# KiCad board Kanagawa.kicad_pcb
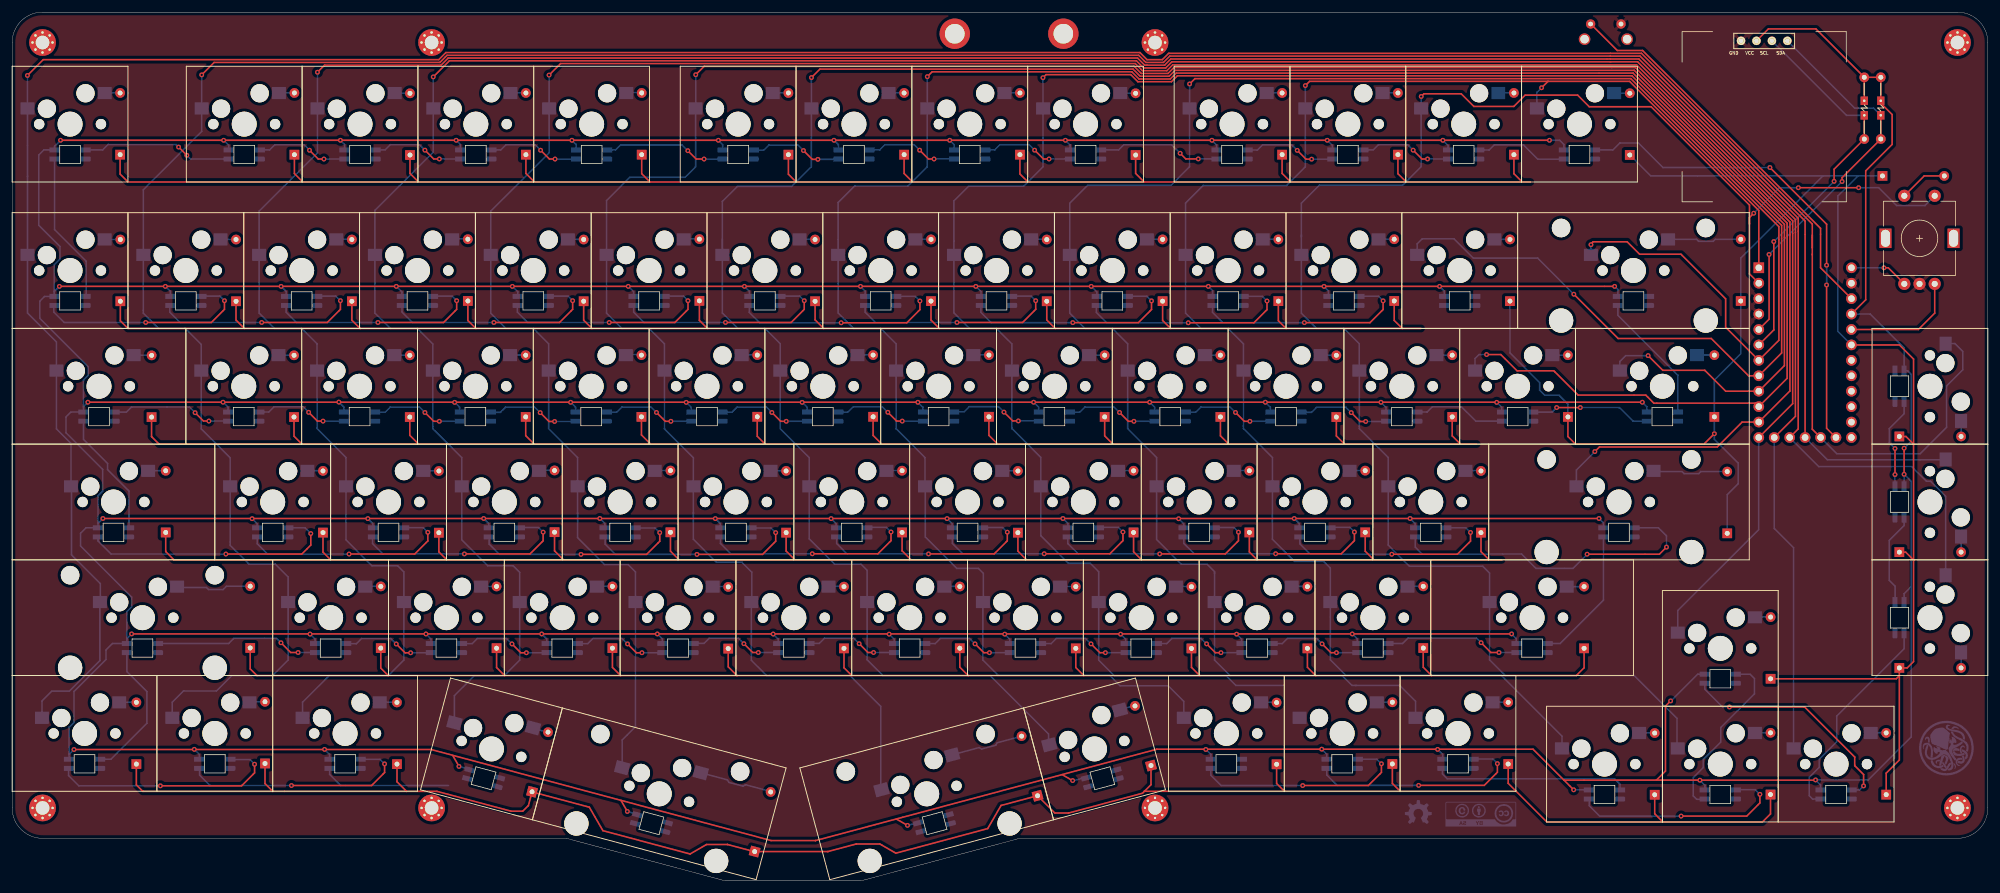
[diagram p0: board, top side]
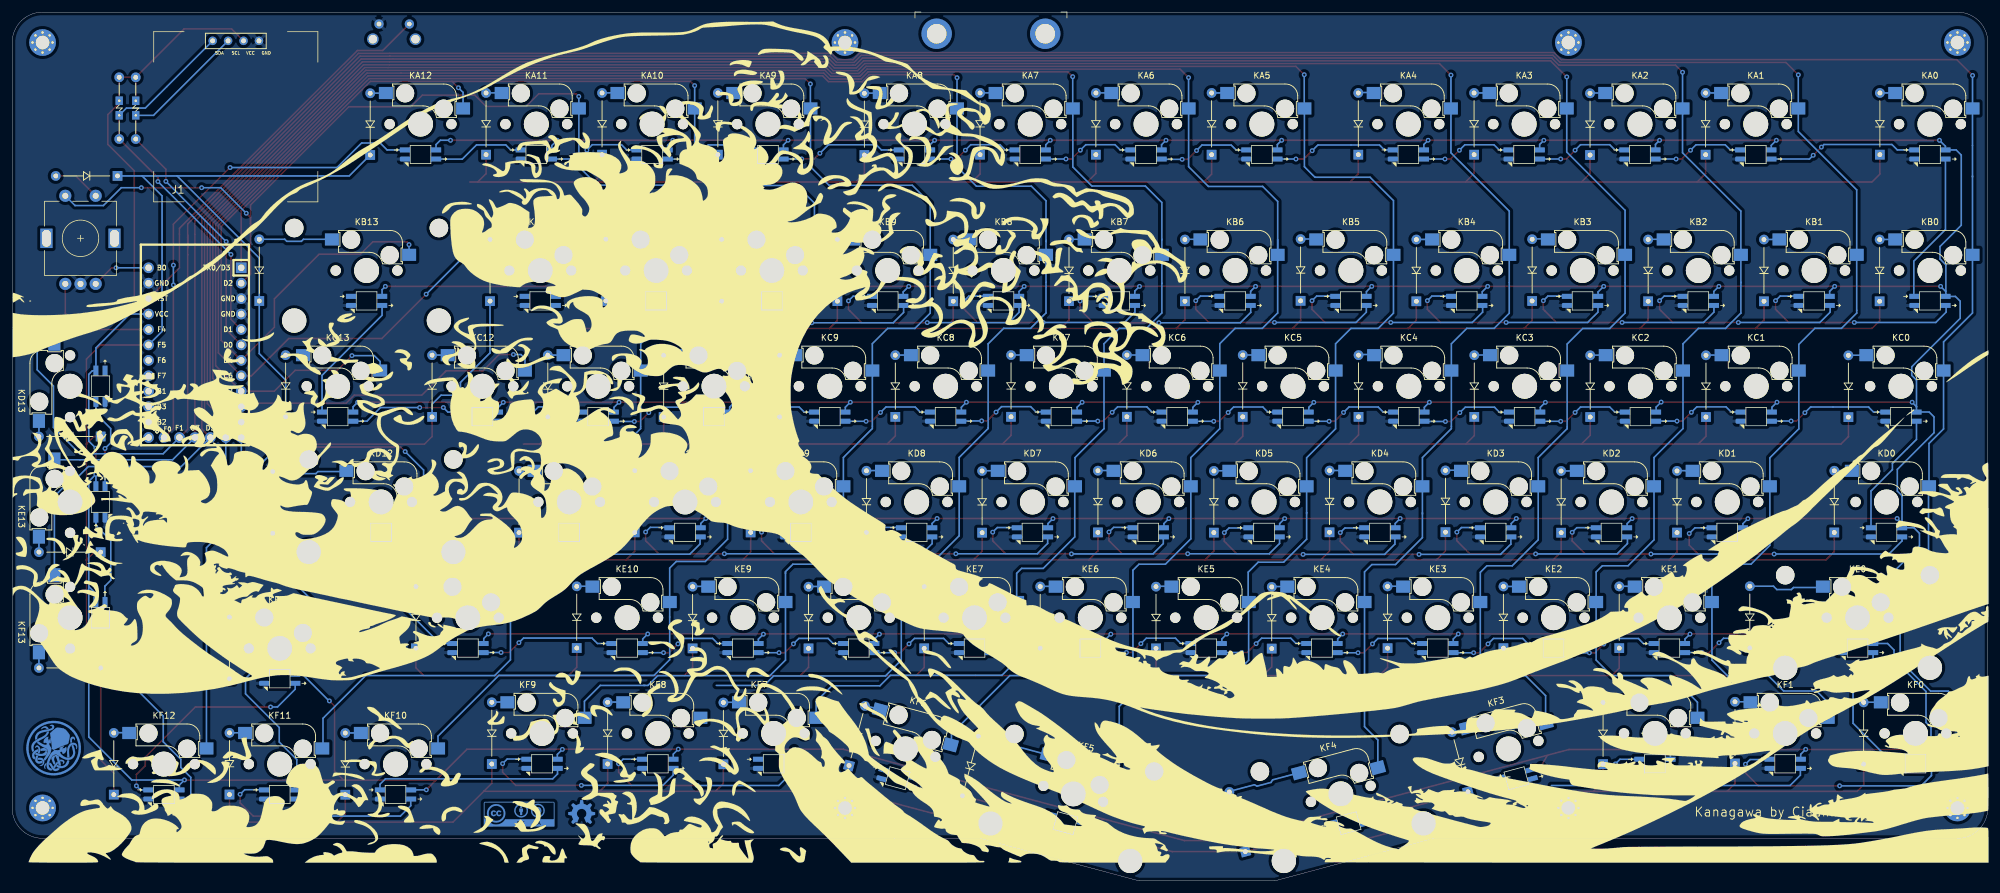
[diagram p1: board, bottom side, seen from below]

Outline 325 x 143 mm; copper layers: Top, Bottom. Coordinates in mm from the lower left corner of the outline.
Outline path: circle c5,138 r1.1 ; circle c5,12 r1.1 ; circle c69,138 r1.1 ; circle c69,12 r1.1 ; circle c155.05,139.43 r1.6 ; circle c172.91,139.43 r1.6 ; circle c188,138 r1.1 ; circle c188,12 r1.1 ; circle c320,138 r1.1 ; circle c320,12 r1.1 ; 0,138 0,12 arc(1.46,8.46) 5,7 91.16,7 117.29,0 139.6,0 165.72,7 320,7 arc(323.54,8.46) 325,12 325,138 arc(323.54,141.54) 320,143 5,143 arc(1.46,141.54) 0,138

## Placement (name value [footprint] x y rotation side)
DA0  D  [Diode_THT]  17.76 119.54 90 top
DA1  D  [Diode_THT]  46.43 119.54 90 top
DA2  D  [Diode_THT]  65.44 119.48 90 top
DA3  D  [Diode_THT]  84.51 119.54 90 top
DA4  D  [Diode_THT]  103.56 119.54 90 top
DA5  D  [Diode_THT]  127.69 119.54 90 top
DA6  D  [Diode_THT]  146.73 119.54 90 top
DA7  D  [Diode_THT]  165.78 119.54 90 top
DA8  D  [Diode_THT]  184.81 119.48 90 top
DA9  D  [Diode_THT]  208.91 119.54 90 top
DA10  D  [Diode_THT]  227.96 119.54 90 top
DA11  D  [Diode_THT]  247.04 119.54 90 top
DA12  D  [Diode_THT]  266.1 119.49 90 top
DA13  D  [Diode_THT]  307.67 116.04 0 top
DB0  D  [Diode_THT]  17.8 95.41 90 top
DB1  D  [Diode_THT]  36.83 95.41 90 top
DB2  D  [Diode_THT]  55.88 95.41 90 top
DB3  D  [Diode_THT]  74.96 95.46 90 top
DB4  D  [Diode_THT]  94.01 95.41 90 top
DB5  D  [Diode_THT]  113.05 95.48 90 top
DB6  D  [Diode_THT]  132.08 95.41 90 top
DB7  D  [Diode_THT]  151.15 95.43 90 top
DB8  D  [Diode_THT]  170.19 95.41 90 top
DB9  D  [Diode_THT]  189.25 95.43 90 top
DB10  D  [Diode_THT]  208.29 95.43 90 top
DB11  D  [Diode_THT]  227.35 95.46 90 top
DB12  D  [Diode_THT]  246.39 95.43 90 top
DB13  D  [Diode_THT]  284.35 95.45 90 top
DC0  D  [Diode_THT]  22.94 76.34 90 top
DC1  D  [Diode_THT]  46.37 76.35 90 top
DC2  D  [Diode_THT]  65.41 76.35 90 top
DC3  D  [Diode_THT]  84.48 76.37 90 top
DC4  D  [Diode_THT]  103.52 76.38 90 top
DC5  D  [Diode_THT]  122.57 76.39 90 top
DC6  D  [Diode_THT]  141.63 76.39 90 top
DC7  D  [Diode_THT]  160.68 76.39 90 top
DC8  D  [Diode_THT]  179.72 76.37 90 top
DC9  D  [Diode_THT]  198.76 76.37 90 top
DC10  D  [Diode_THT]  217.83 76.35 90 top
DC11  D  [Diode_THT]  236.89 76.37 90 top
DC12  D  [Diode_THT]  255.92 76.37 90 top
DC13  D  [Diode_THT]  280.01 76.38 90 top
DD0  D  [Diode_THT]  25.26 57.35 90 top
DD1  D  [Diode_THT]  51.13 57.33 90 top
DD2  D  [Diode_THT]  70.19 57.31 90 top
DD3  D  [Diode_THT]  89.22 57.4 90 top
DD4  D  [Diode_THT]  108.29 57.38 90 top
DD5  D  [Diode_THT]  127.32 57.32 90 top
DD6  D  [Diode_THT]  146.39 57.36 90 top
DD7  D  [Diode_THT]  165.44 57.31 90 top
DD8  D  [Diode_THT]  184.47 57.35 90 top
DD9  D  [Diode_THT]  203.52 57.36 90 top
DD10  D  [Diode_THT]  222.58 57.37 90 top
DD11  D  [Diode_THT]  241.62 57.32 90 top
DD12  D  [Diode_THT]  282.13 57.21 90 top
DD13  D  [Diode_THT]  310.44 73.15 0 top
DE0  D  [Diode_THT]  39.16 38.34 90 top
DE1  D  [Diode_THT]  60.64 38.31 90 top
DE2  D  [Diode_THT]  79.69 38.3 90 top
DE3  D  [Diode_THT]  98.75 38.31 90 top
DE4  D  [Diode_THT]  117.8 38.23 90 top
DE5  D  [Diode_THT]  136.84 38.27 90 top
DE6  D  [Diode_THT]  155.89 38.29 90 top
DE7  D  [Diode_THT]  174.97 38.27 90 top
DE8  D  [Diode_THT]  194 38.26 90 top
DE9  D  [Diode_THT]  213.07 38.27 90 top
DE10  D  [Diode_THT]  232.13 38.32 90 top
DE11  D  [Diode_THT]  258.58 38.28 90 top
DE12  D  [Diode_THT]  289.26 33.26 90 top
DE13  D  [Diode_THT]  310.44 54.11 0 top
DF0  D  [Diode_THT]  20.43 19.22 90 top
DF1  D  [Diode_THT]  41.6 19.32 90 top
DF2  D  [Diode_THT]  63.3 19.21 90 top
DF3  D  [Diode_THT]  85.52 14.66 75 top
DF4  D  [Diode_THT]  122.14 4.82 75 top
DF5  D  [Diode_THT]  168.68 14.01 105 top
DF6  D  [Diode_THT]  187.34 18.98 105 top
DF7  D  [Diode_THT]  208 19.19 90 top
DF8  D  [Diode_THT]  227.05 19.24 90 top
DF9  D  [Diode_THT]  246.1 19.23 90 top
DF10  D  [Diode_THT]  270.2 14.17 90 top
DF11  D  [Diode_THT]  289.25 14.21 90 top
DF12  D  [Diode_THT]  308.28 14.19 90 top
DF13  D  [Diode_THT]  310.44 35.05 0 top
J1  Conn_01x04  [OLED_128x64_I2C_cutout]  274.71 139.78 0 top
KA0  KEY_SW  [SW_Cherry_MX_1.00u_SK6812MINI-E_Hotswap]  0 134.09 0 top
KA1  KEY_SW  [SW_Cherry_MX_1.00u_SK6812MINI-E_Hotswap]  28.65 134.09 0 top
KA2  KEY_SW  [SW_Cherry_MX_1.00u_SK6812MINI-E_Hotswap]  47.7 134.09 0 top
KA3  KEY_SW  [SW_Cherry_MX_1.00u_SK6812MINI-E_Hotswap]  66.75 134.09 0 top
KA4  KEY_SW  [SW_Cherry_MX_1.00u_SK6812MINI-E_Hotswap]  85.8 134.09 0 top
KA5  KEY_SW  [SW_Cherry_MX_1.00u_SK6812MINI-E_Hotswap]  109.9 134.09 0 top
KA6  KEY_SW  [SW_Cherry_MX_1.00u_SK6812MINI-E_Hotswap]  128.95 134.09 0 top
KA7  KEY_SW  [SW_Cherry_MX_1.00u_SK6812MINI-E_Hotswap]  148 134.09 0 top
KA8  KEY_SW  [SW_Cherry_MX_1.00u_SK6812MINI-E_Hotswap]  167.05 134.09 0 top
KA9  KEY_SW  [SW_Cherry_MX_1.00u_SK6812MINI-E_Hotswap]  191.15 134.09 0 top
KA10  KEY_SW  [SW_Cherry_MX_1.00u_SK6812MINI-E_Hotswap]  210.2 134.09 0 top
KA11  KEY_SW  [SW_Cherry_MX_1.00u_SK6812MINI-E_Hotswap]  229.25 134.09 0 top
KA12  KEY_SW  [SW_Cherry_MX_1.00u_SK6812MINI-E_Hotswap]  248.3 134.09 0 top
KB0  KEY_SW  [SW_Cherry_MX_1.00u_SK6812MINI-E_Hotswap]  0 109.99 0 top
KB1  KEY_SW  [SW_Cherry_MX_1.00u_SK6812MINI-E_Hotswap]  19.05 109.99 0 top
KB2  KEY_SW  [SW_Cherry_MX_1.00u_SK6812MINI-E_Hotswap]  38.1 109.99 0 top
KB3  KEY_SW  [SW_Cherry_MX_1.00u_SK6812MINI-E_Hotswap]  57.15 109.99 0 top
KB4  KEY_SW  [SW_Cherry_MX_1.00u_SK6812MINI-E_Hotswap]  76.2 109.99 0 top
KB5  KEY_SW  [SW_Cherry_MX_1.00u_SK6812MINI-E_Hotswap]  95.25 109.99 0 top
KB6  KEY_SW  [SW_Cherry_MX_1.00u_SK6812MINI-E_Hotswap]  114.3 109.99 0 top
KB7  KEY_SW  [SW_Cherry_MX_1.00u_SK6812MINI-E_Hotswap]  133.35 109.99 0 top
KB8  KEY_SW  [SW_Cherry_MX_1.00u_SK6812MINI-E_Hotswap]  152.4 109.99 0 top
KB9  KEY_SW  [SW_Cherry_MX_1.00u_SK6812MINI-E_Hotswap]  171.45 109.99 0 top
KB10  KEY_SW  [SW_Cherry_MX_1.00u_SK6812MINI-E_Hotswap]  190.5 109.99 0 top
KB11  KEY_SW  [SW_Cherry_MX_1.00u_SK6812MINI-E_Hotswap]  209.55 109.99 0 top
KB12  KEY_SW  [SW_Cherry_MX_1.00u_SK6812MINI-E_Hotswap]  228.6 109.99 0 top
KB13  KEY_SW  [SW_Cherry_MX_2.00u_SK6812MINI-E_Hotswap]  247.65 109.99 0 top
KC0  KEY_SW  [SW_Cherry_MX_1.50u_SK6812MINI-E_Hotswap]  0 90.94 0 top
KC1  KEY_SW  [SW_Cherry_MX_1.00u_SK6812MINI-E_Hotswap]  28.58 90.94 0 top
KC2  KEY_SW  [SW_Cherry_MX_1.00u_SK6812MINI-E_Hotswap]  47.63 90.94 0 top
KC3  KEY_SW  [SW_Cherry_MX_1.00u_SK6812MINI-E_Hotswap]  66.68 90.94 0 top
KC4  KEY_SW  [SW_Cherry_MX_1.00u_SK6812MINI-E_Hotswap]  85.73 90.94 0 top
KC5  KEY_SW  [SW_Cherry_MX_1.00u_SK6812MINI-E_Hotswap]  104.78 90.94 0 top
KC6  KEY_SW  [SW_Cherry_MX_1.00u_SK6812MINI-E_Hotswap]  123.83 90.94 0 top
KC7  KEY_SW  [SW_Cherry_MX_1.00u_SK6812MINI-E_Hotswap]  142.88 90.94 0 top
KC8  KEY_SW  [SW_Cherry_MX_1.00u_SK6812MINI-E_Hotswap]  161.93 90.94 0 top
KC9  KEY_SW  [SW_Cherry_MX_1.00u_SK6812MINI-E_Hotswap]  180.98 90.94 0 top
KC10  KEY_SW  [SW_Cherry_MX_1.00u_SK6812MINI-E_Hotswap]  200.03 90.94 0 top
KC11  KEY_SW  [SW_Cherry_MX_1.00u_SK6812MINI-E_Hotswap]  219.07 90.94 0 top
KC12  KEY_SW  [SW_Cherry_MX_1.00u_SK6812MINI-E_Hotswap]  238.12 90.94 0 top
KC13  KEY_SW  [SW_Cherry_MX_1.50u_SK6812MINI-E_Hotswap]  257.18 90.94 0 top
KD0  KEY_SW  [SW_Cherry_MX_1.75u_SK6812MINI-E_Hotswap]  0 71.89 0 top
KD1  KEY_SW  [SW_Cherry_MX_1.00u_SK6812MINI-E_Hotswap]  33.34 71.89 0 top
KD2  KEY_SW  [SW_Cherry_MX_1.00u_SK6812MINI-E_Hotswap]  52.39 71.89 0 top
KD3  KEY_SW  [SW_Cherry_MX_1.00u_SK6812MINI-E_Hotswap]  71.44 71.89 0 top
KD4  KEY_SW  [SW_Cherry_MX_1.00u_SK6812MINI-E_Hotswap]  90.49 71.89 0 top
KD5  KEY_SW  [SW_Cherry_MX_1.00u_SK6812MINI-E_Hotswap]  109.54 71.89 0 top
KD6  KEY_SW  [SW_Cherry_MX_1.00u_SK6812MINI-E_Hotswap]  128.59 71.89 0 top
KD7  KEY_SW  [SW_Cherry_MX_1.00u_SK6812MINI-E_Hotswap]  147.64 71.89 0 top
KD8  KEY_SW  [SW_Cherry_MX_1.00u_SK6812MINI-E_Hotswap]  166.69 71.89 0 top
KD9  KEY_SW  [SW_Cherry_MX_1.00u_SK6812MINI-E_Hotswap]  185.74 71.89 0 top
KD10  KEY_SW  [SW_Cherry_MX_1.00u_SK6812MINI-E_Hotswap]  204.79 71.89 0 top
KD11  KEY_SW  [SW_Cherry_MX_1.00u_SK6812MINI-E_Hotswap]  223.84 71.89 0 top
KD12  KEY_SW  [SW_Cherry_MX_2.25u_SK6812MINI-E_Hotswap]  242.89 71.89 0 top
KD13  KEY_SW  [SW_Cherry_MX_1.00u_SK6812MINI-E_Hotswap]  325 90.94 270 top
KE0  KEY_SW  [SW_Cherry_MX_2.25u_SK6812MINI-E_Hotswap]  0 52.84 0 top
KE1  KEY_SW  [SW_Cherry_MX_1.00u_SK6812MINI-E_Hotswap]  42.86 52.84 0 top
KE2  KEY_SW  [SW_Cherry_MX_1.00u_SK6812MINI-E_Hotswap]  61.91 52.84 0 top
KE3  KEY_SW  [SW_Cherry_MX_1.00u_SK6812MINI-E_Hotswap]  80.96 52.84 0 top
KE4  KEY_SW  [SW_Cherry_MX_1.00u_SK6812MINI-E_Hotswap]  100.01 52.84 0 top
KE5  KEY_SW  [SW_Cherry_MX_1.00u_SK6812MINI-E_Hotswap]  119.06 52.84 0 top
KE6  KEY_SW  [SW_Cherry_MX_1.00u_SK6812MINI-E_Hotswap]  138.11 52.84 0 top
KE7  KEY_SW  [SW_Cherry_MX_1.00u_SK6812MINI-E_Hotswap]  157.16 52.84 0 top
KE8  KEY_SW  [SW_Cherry_MX_1.00u_SK6812MINI-E_Hotswap]  176.21 52.84 0 top
KE9  KEY_SW  [SW_Cherry_MX_1.00u_SK6812MINI-E_Hotswap]  195.26 52.84 0 top
KE10  KEY_SW  [SW_Cherry_MX_1.00u_SK6812MINI-E_Hotswap]  214.31 52.84 0 top
KE11  KEY_SW  [SW_Cherry_MX_1.75u_SK6812MINI-E_Hotswap]  233.36 52.84 0 top
KE12  KEY_SW  [SW_Cherry_MX_1.00u_SK6812MINI-E_Hotswap]  271.46 47.79 0 top
KE13  KEY_SW  [SW_Cherry_MX_1.00u_SK6812MINI-E_Hotswap]  325 71.89 270 top
KF0  KEY_SW  [SW_Cherry_MX_1.25u_SK6812MINI-E_Hotswap]  0 33.79 0 top
KF1  KEY_SW  [SW_Cherry_MX_1.00u_SK6812MINI-E_Hotswap]  23.81 33.79 0 top
KF2  KEY_SW  [SW_Cherry_MX_1.25u_SK6812MINI-E_Hotswap]  42.86 33.79 0 top
KF3  KEY_SW  [SW_Cherry_MX_1.00u_SK6812MINI-E_Hotswap]  72.11 33.38 345 top
KF4  KEY_SW  [SW_Cherry_MX_2.00u_SK6812MINI-E_Hotswap]  90.51 28.45 345 top
KF5  KEY_SW  [SW_Cherry_MX_2.00u_SK6812MINI-E_Hotswap]  129.58 18.59 15 top
KF6  KEY_SW  [SW_Cherry_MX_1.00u_SK6812MINI-E_Hotswap]  166.38 28.45 15 top
KF7  KEY_SW  [SW_Cherry_MX_1.00u_SK6812MINI-E_Hotswap]  190.21 33.79 0 top
KF8  KEY_SW  [SW_Cherry_MX_1.00u_SK6812MINI-E_Hotswap]  209.26 33.79 0 top
KF9  KEY_SW  [SW_Cherry_MX_1.00u_SK6812MINI-E_Hotswap]  228.31 33.79 0 top
KF10  KEY_SW  [SW_Cherry_MX_1.00u_SK6812MINI-E_Hotswap]  252.41 28.74 0 top
KF11  KEY_SW  [SW_Cherry_MX_1.00u_SK6812MINI-E_Hotswap]  271.46 28.74 0 top
KF12  KEY_SW  [SW_Cherry_MX_1.00u_SK6812MINI-E_Hotswap]  290.51 28.74 0 top
KF13  KEY_SW  [SW_Cherry_MX_1.00u_SK6812MINI-E_Hotswap]  325 52.84 270 top
LogoBase1  LOGO  [hokusai]  162.44 73.01 180 bottom
LogoMiddle  LOGO  [Cthulhu_logo]  318 22 30 bottom
LogoMiddle1  cc_logo  [cc]  241.6 10.98 180 bottom
LogoMiddle2  oshw_logo  [oshw]  231.32 11.31 180 bottom
MountBaseMiddleTop1  MountingHole  [MountingHole_2.2mm_M2_Pad_Via]  5 138 0 top
MountBaseMiddleTop2  MountingHole  [MountingHole_2.2mm_M2_Pad_Via]  5 12 0 top
MountBaseMiddleTop3  MountingHole  [MountingHole_2.2mm_M2_Pad_Via]  69 138 0 top
MountBaseMiddleTop4  MountingHole  [MountingHole_2.2mm_M2_Pad_Via]  69 12 0 top
MountBaseMiddleTop5  MountingHole  [MountingHole_2.2mm_M2_Pad_Via]  188 138 0 top
MountBaseMiddleTop6  MountingHole  [MountingHole_2.2mm_M2_Pad_Via]  188 12 0 top
MountBaseMiddleTop7  MountingHole  [MountingHole_2.2mm_M2_Pad_Via]  320 138 0 top
MountBaseMiddleTop8  MountingHole  [MountingHole_2.2mm_M2_Pad_Via]  320 12 0 top
MountMiddle0  MountingHole USB breakout  [Keebio_USB-C_breakout_shadow]  163.97 137.05 0 top
R1  4.7k  [Resistors_SMD_THT]  307.39 122.12 90 top
R2  4.7k  [Resistors_SMD_THT]  304.67 122.11 90 top
RSW0  -  [SW_RST]  262.16 141.05 0 top
SW99  Rotary_Encoder_Switch  [RotaryEncoder_Alps_EC11E-Switch_Vertical_H20mm]  313.76 105.77 90 top
U0  Elite-C  [Elite-C-29pin-holes]  294.94 86.95 270 top

## Library data of the parts
KA0-KA12 KB0-KB12 KC1-KC12 KD1-KD11 KD13 KE1-KE10 KE12 KE13 KF1 KF3 KF6-KF13 = -: Field4: D?; Field5: SW_PUSH
KB13 KC0 KC13 KD0 KD12 KE0 KE11 KF0 KF2 KF4 KF5 = -: Field4: D?

## Footprints (pads in the part's own frame, mm; a bottom-side part is the same pattern mirrored in y, then rotated)
Diode_THT
  rect 1.6x1.6 hole 0.8: 1(0,0)
  oval 1.6x1.6 hole 0.8: 2(10.16,0)
Elite-C-29pin-holes
  rect 1.753x1.753 hole 1.092: 1(-13.97,-7.62)
  round 1.753 hole 1.092: 2(-11.43,-7.62) 3(-8.89,-7.62) 4(-6.35,-7.62) 5(-3.81,-7.62) 6(-1.27,-7.62) 7(1.27,-7.62) 8(3.81,-7.62) 9(6.35,-7.62) 10(8.89,-7.62) 11(11.43,-7.62) 12(13.97,-7.62) 13(13.97,7.62) 14(11.43,7.62) 15(8.89,7.62) 16(6.35,7.62) 17(3.81,7.62) 18(1.27,7.62) 19(-1.27,7.62) 20(-3.81,7.62) 21(-6.35,7.62) 22(-8.89,7.62) 23(-11.43,7.62) 24(-13.97,7.62) 25(13.97,-5.08) 26(13.97,-2.54) 27(13.97,0) 28(13.97,2.54) 29(13.97,5.08)
Keebio_USB-C_breakout_shadow
  round 5 hole 3.2: (-8.908,2.398) (8.951,2.398)
MountingHole_2.2mm_M2_Pad_Via
  round 0.7 hole 0.4: 1(-1.65,0) 1(-1.167,1.167) 1(-1.167,-1.167) 1(0,1.65) 1(0,-1.65) 1(1.167,1.167) 1(1.167,-1.167) 1(1.65,0)
  round 4.4 hole 2.2: 1(0,0)
OLED_128x64_I2C_cutout
  round 1.397 hole 0.813: 1(9.69,-1.5) 2(12.23,-1.5) 3(14.77,-1.5) 4(17.31,-1.5)
Resistors_SMD_THT
  round 1.6 hole 0.8: 1(0,0)
  rect 1.4x1.2 hole 0.4: 1(3.9,0) 2(6.3,0)
  oval 1.6x1.6 hole 0.8: 2(10.16,0)
RotaryEncoder_Alps_EC11E-Switch_Vertical_H20mm
  round 2 hole 1: A(-7.5,2.5) B(-7.5,-2.5) C(-7.5,0) S1(7,-2.5) S2(7,2.5)
  rect 3.2x2 hole 2.8x1.5: MP(0,5.6) MP(0,-5.6)
SW_Cherry_MX_1.00u_SK6812MINI-E_Hotswap
  round 1.7 hole 1.7 unplated: (4.445,-9.525) (14.605,-9.525)
  round 3 hole 3 unplated: (5.715,-6.985) (12.065,-4.445)
  round 4.1 hole 4.1 unplated: (9.525,-9.525)
  rect 2.3x2 smd far side: 1(2.525,-6.945) 2(15.225,-4.405)
  rect 1.7x0.82 smd far side: 3(6.975,-15.275) 4(6.975,-13.775) 5(12.075,-13.775)
  rrect 1.7x0.82 smd far side: 6(12.075,-15.275)
SW_Cherry_MX_1.25u_SK6812MINI-E_Hotswap
  round 1.7 hole 1.7 unplated: (6.826,-9.525) (16.986,-9.525)
  round 3 hole 3 unplated: (8.096,-6.985) (14.446,-4.445)
  round 4.1 hole 4.1 unplated: (11.906,-9.525)
  rect 2.3x2 smd far side: 1(4.906,-6.945) 2(17.606,-4.405)
  rect 1.7x0.82 smd far side: 3(9.356,-15.275) 4(9.356,-13.775) 5(14.456,-13.775)
  rrect 1.7x0.82 smd far side: 6(14.456,-15.275)
SW_Cherry_MX_1.50u_SK6812MINI-E_Hotswap
  round 1.7 hole 1.7 unplated: (9.207,-9.525) (19.367,-9.525)
  round 3 hole 3 unplated: (10.477,-6.985) (16.828,-4.445)
  round 4.1 hole 4.1 unplated: (14.287,-9.525)
  rect 2.3x2 smd far side: 1(7.287,-6.945) 2(19.988,-4.405)
  rect 1.7x0.82 smd far side: 3(11.738,-15.275) 4(11.738,-13.775) 5(16.837,-13.775)
  rrect 1.7x0.82 smd far side: 6(16.837,-15.275)
SW_Cherry_MX_1.75u_SK6812MINI-E_Hotswap
  round 1.7 hole 1.7 unplated: (11.589,-9.525) (21.749,-9.525)
  round 3 hole 3 unplated: (12.859,-6.985) (19.209,-4.445)
  round 4.1 hole 4.1 unplated: (16.669,-9.525)
  rect 2.3x2 smd far side: 1(9.669,-6.945) 2(22.369,-4.405)
  rect 1.7x0.82 smd far side: 3(14.119,-15.275) 4(14.119,-13.775) 5(19.219,-13.775)
  rrect 1.7x0.82 smd far side: 6(19.219,-15.275)
SW_Cherry_MX_2.00u_SK6812MINI-E_Hotswap
  round 3.05 hole 3.05 unplated: (7.15,-2.525) (30.95,-2.525)
  round 4 hole 4 unplated: (7.15,-17.765) (30.95,-17.765)
  round 1.7 hole 1.7 unplated: (13.97,-9.525) (24.13,-9.525)
  round 3 hole 3 unplated: (15.24,-6.985) (21.59,-4.445)
  round 4.1 hole 4.1 unplated: (19.05,-9.525)
  rect 2.3x2 smd far side: 1(12.05,-6.945) 2(24.75,-4.405)
  rect 1.7x0.82 smd far side: 3(16.5,-15.275) 4(16.5,-13.775) 5(21.6,-13.775)
  rrect 1.7x0.82 smd far side: 6(21.6,-15.275)
SW_Cherry_MX_2.25u_SK6812MINI-E_Hotswap
  round 3.05 hole 3.05 unplated: (9.531,-2.525) (33.331,-2.525)
  round 4 hole 4 unplated: (9.531,-17.765) (33.331,-17.765)
  round 1.7 hole 1.7 unplated: (16.351,-9.525) (26.511,-9.525)
  round 3 hole 3 unplated: (17.621,-6.985) (23.971,-4.445)
  round 4.1 hole 4.1 unplated: (21.431,-9.525)
  rect 2.3x2 smd far side: 1(14.431,-6.945) 2(27.131,-4.405)
  rect 1.7x0.82 smd far side: 3(18.881,-15.275) 4(18.881,-13.775) 5(23.981,-13.775)
  rrect 1.7x0.82 smd far side: 6(23.981,-15.275)
SW_RST
  round 1.524 hole 0.762: 1(-2.5,0) 2(2.5,0)
  round 1.9 hole 1.4: 3(-3.5,-2.5) 3(3.5,-2.5)

## Nets
GND: J1.1 KA0.6 KA1.6 KA2.6 KA3.6 KA4.6 KA5.6 KA6.6 KA7.6 KA8.6 KA9.6 KA10.6 KA11.6 KA12.6 KB0.6 KB1.6 KB2.6 KB3.6 KB4.6 KB5.6 KB6.6 KB7.6 KB8.6 KB9.6 KB10.6 KB11.6 KB12.6 KB13.6 KC0.6 KC1.6 KC2.6 KC3.6 KC4.6 KC5.6 KC6.6 KC7.6 KC8.6 KC9.6 KC10.6 KC11.6 KC12.6 KC13.6 KD0.6 KD1.6 KD2.6 KD3.6 KD4.6 KD5.6 KD6.6 KD7.6 KD8.6 KD9.6 KD10.6 KD11.6 KD12.6 KD13.6 KE0.6 KE1.6 KE2.6 KE3.6 KE4.6 KE5.6 KE6.6 KE7.6 KE8.6 KE9.6 KE10.6 KE11.6 KE12.6 KE13.6 KF0.6 KF1.6 KF2.6 KF3.6 KF4.6 KF5.6 KF6.6 KF7.6 KF8.6 KF9.6 KF10.6 KF11.6 KF12.6 KF13.6 RSW0.2 SW99.C U0.3 U0.4 U0.23
VCC: J1.2 KA0.4 KA1.4 KA2.4 KA3.4 KA4.4 KA5.4 KA6.4 KA7.4 KA8.4 KA9.4 KA10.4 KA11.4 KA12.4 KB0.4 KB1.4 KB2.4 KB3.4 KB4.4 KB5.4 KB6.4 KB7.4 KB8.4 KB9.4 KB10.4 KB11.4 KB12.4 KB13.4 KC0.4 KC1.4 KC2.4 KC3.4 KC4.4 KC5.4 KC6.4 KC7.4 KC8.4 KC9.4 KC10.4 KC11.4 KC12.4 KC13.4 KD0.4 KD1.4 KD2.4 KD3.4 KD4.4 KD5.4 KD6.4 KD7.4 KD8.4 KD9.4 KD10.4 KD11.4 KD12.4 KD13.4 KE0.4 KE1.4 KE2.4 KE3.4 KE4.4 KE5.4 KE6.4 KE7.4 KE8.4 KE9.4 KE10.4 KE11.4 KE12.4 KE13.4 KF0.4 KF1.4 KF2.4 KF3.4 KF4.4 KF5.4 KF6.4 KF7.4 KF8.4 KF9.4 KF10.4 KF11.4 KF12.4 KF13.4 R1.2 R2.2 U0.21
/IN_A0: KA0.5 KA1.3
/IN_A1: KA1.5 KA2.3
/IN_A2: KA2.5 KA3.3
/IN_A3: KA3.5 KA4.3
/IN_A4: KA4.5 KA5.3
/IN_A5: KA5.5 KA6.3
/IN_A6: KA6.5 KA7.3
/IN_A7: KA7.5 KA8.3
/IN_A8: KA8.5 KA9.3
/IN_A9: KA9.5 KA10.3
/IN_A10: KA10.5 KA11.3
/IN_A11: KA11.5 KA12.3
/IN_B0: KA0.3 KB0.5
/IN_B1: KB0.3 KB1.5
/IN_B2: KB1.3 KB2.5
/IN_B3: KB2.3 KB3.5
/IN_B4: KB3.3 KB4.5
/IN_B5: KB4.3 KB5.5
/IN_B6: KB5.3 KB6.5
/IN_B7: KB6.3 KB7.5
/IN_B8: KB7.3 KB8.5
/IN_B9: KB8.3 KB9.5
/IN_B10: KB9.3 KB10.5
/IN_B11: KB10.3 KB11.5
/IN_B12: KB11.3 KB12.5
/IN_B13: KB12.3 KB13.5
/IN_C0: KC0.5 KC1.3
/IN_C1: KC1.5 KC2.3
/IN_C2: KC2.5 KC3.3
/IN_C3: KC3.5 KC4.3
/IN_C4: KC4.5 KC5.3
/IN_C5: KC5.5 KC6.3
/IN_C6: KC6.5 KC7.3
/IN_C7: KC7.5 KC8.3
/IN_C8: KC8.5 KC9.3
/IN_C9: KC9.5 KC10.3
/IN_C10: KC10.5 KC11.3
/IN_C11: KC11.5 KC12.3
/IN_C12: KC12.5 KC13.3
/IN_C13: KB13.3 KC13.5
/IN_D0: KC0.3 KD0.5
/IN_D1: KD0.3 KD1.5
/IN_D2: KD1.3 KD2.5
/IN_D3: KD2.3 KD3.5
/IN_D4: KD3.3 KD4.5
/IN_D5: KD4.3 KD5.5
/IN_D6: KD5.3 KD6.5
/IN_D7: KD6.3 KD7.5
/IN_D8: KD7.3 KD8.5
/IN_D9: KD8.3 KD9.5
/IN_D10: KD9.3 KD10.5
/IN_D11: KD10.3 KD11.5
/IN_D12: KD11.3 KD12.5
/IN_D13: KD13.5 KE13.3
/IN_E0: KE0.5 KE1.3
/IN_E1: KE1.5 KE2.3
/IN_E2: KE2.5 KE3.3
/IN_E3: KE3.5 KE4.3
/IN_E4: KE4.5 KE5.3
/IN_E5: KE5.5 KE6.3
/IN_E6: KE6.5 KE7.3
/IN_E7: KE7.5 KE8.3
/IN_E8: KE8.5 KE9.3
/IN_E9: KE9.5 KE10.3
/IN_E10: KE10.5 KE11.3
/IN_E11: KD12.3 KE11.5
/IN_E12: KE12.5 KF11.3
/IN_E13: KE13.5 KF13.3
/IN_F0: KE0.3 KF0.5
/IN_F1: KF0.3 KF1.5
/IN_F2: KF1.3 KF2.5
/IN_F3: KF2.3 KF3.5
/IN_F4: KF3.3 KF4.5
/IN_F5: KF4.3 KF5.5
/IN_F6: KF5.3 KF6.5
/IN_F7: KF6.3 KF7.5
/IN_F8: KF7.3 KF8.5
/IN_F9: KF8.3 KF9.5
/IN_F10: KF9.3 KF10.5
/IN_F11: KF10.3 KF11.5
/IN_F12: KE12.3 KF12.5
/IN_F13: KF12.3 KF13.5
/OUT_D13: KD13.3
/SW99B: DA13.2 SW99.S2
col00: KA0.1 KB0.1 KC0.1 KD0.1 KD13.1 KE0.1 KF0.1 U0.28
col01: KA1.1 KB1.1 KC1.1 KD1.1 KE1.1 KE13.1 KF1.1 U0.27
col02: KA2.1 KB2.1 KC2.1 KD2.1 KE2.1 KF2.1 KF13.1 U0.26
col03: KA3.1 KB3.1 KC3.1 KD3.1 KE3.1 KF3.1 KF12.1 U0.25
col04: KA4.1 KB4.1 KC4.1 KD4.1 KE4.1 KE12.1 KF4.1 U0.12
col05: KA5.1 KB5.1 KC5.1 KD5.1 KD12.1 KE5.1 KF5.1 U0.11
col06: KA6.1 KB6.1 KC6.1 KC12.1 KD6.1 KE6.1 KF6.1 U0.10
col07: KA7.1 KB7.1 KC7.1 KC13.1 KD7.1 KE7.1 KF7.1 U0.9
col08: KA8.1 KB8.1 KB12.1 KC8.1 KD8.1 KE8.1 KF8.1 U0.8
col09: KA9.1 KB9.1 KB13.1 KC9.1 KD9.1 KE9.1 KF9.1 U0.7
col10: KA10.1 KA12.1 KB10.1 KC10.1 KD10.1 KE10.1 KF10.1 U0.1
col11: KA11.1 KB11.1 KC11.1 KD11.1 KE11.1 KF11.1 SW99.S1 U0.2
ENCA: SW99.A U0.24
ENCB: SW99.B U0.20
RESET: RSW0.1 U0.22
RGB: KA12.5 U0.29
row00: DA0.1 DA1.1 DA2.1 DA3.1 DA4.1 DA5.1 DA6.1 DA7.1 DA8.1 DA9.1 DA10.1 DA11.1 U0.13
row01: DB0.1 DB1.1 DB2.1 DB3.1 DB4.1 DB5.1 DB6.1 DB7.1 DB8.1 DB9.1 DB10.1 DB11.1 U0.14
row02: DC0.1 DC1.1 DC2.1 DC3.1 DC4.1 DC5.1 DC6.1 DC7.1 DC8.1 DC9.1 DC10.1 DC11.1 U0.15
row03: DD0.1 DD1.1 DD2.1 DD3.1 DD4.1 DD5.1 DD6.1 DD7.1 DD8.1 DD9.1 DD10.1 DD11.1 U0.16
row04: DE0.1 DE1.1 DE2.1 DE3.1 DE4.1 DE5.1 DE6.1 DE7.1 DE8.1 DE9.1 DE10.1 DE11.1 U0.17
row05: DF0.1 DF1.1 DF2.1 DF3.1 DF4.1 DF5.1 DF6.1 DF7.1 DF8.1 DF9.1 DF10.1 DF11.1 U0.18
row06: DA12.1 DA13.1 DB12.1 DB13.1 DC12.1 DC13.1 DD12.1 DD13.1 DE12.1 DE13.1 DF12.1 DF13.1 U0.19
SCL: J1.3 R2.1 U0.6
SDA: J1.4 R1.1 U0.5
Net-(DA0-Pad2): DA0.2 KA0.2
Net-(DA1-Pad2): DA1.2 KA1.2
Net-(DA2-Pad2): DA2.2 KA2.2
Net-(DA3-Pad2): DA3.2 KA3.2
Net-(DA4-Pad2): DA4.2 KA4.2
Net-(DA5-Pad2): DA5.2 KA5.2
Net-(DA6-Pad2): DA6.2 KA6.2
Net-(DA7-Pad2): DA7.2 KA7.2
Net-(DA8-Pad2): DA8.2 KA8.2
Net-(DA9-Pad2): DA9.2 KA9.2
Net-(DA10-Pad2): DA10.2 KA10.2
Net-(DA11-Pad2): DA11.2 KA11.2
Net-(DA12-Pad2): DA12.2 KA12.2
Net-(DB0-Pad2): DB0.2 KB0.2
Net-(DB1-Pad2): DB1.2 KB1.2
Net-(DB2-Pad2): DB2.2 KB2.2
Net-(DB3-Pad2): DB3.2 KB3.2
Net-(DB4-Pad2): DB4.2 KB4.2
Net-(DB5-Pad2): DB5.2 KB5.2
Net-(DB6-Pad2): DB6.2 KB6.2
Net-(DB7-Pad2): DB7.2 KB7.2
Net-(DB8-Pad2): DB8.2 KB8.2
Net-(DB9-Pad2): DB9.2 KB9.2
Net-(DB10-Pad2): DB10.2 KB10.2
Net-(DB11-Pad2): DB11.2 KB11.2
Net-(DB12-Pad2): DB12.2 KB12.2
Net-(DB13-Pad2): DB13.2 KB13.2
Net-(DC0-Pad2): DC0.2 KC0.2
Net-(DC1-Pad2): DC1.2 KC1.2
Net-(DC2-Pad2): DC2.2 KC2.2
Net-(DC3-Pad2): DC3.2 KC3.2
Net-(DC4-Pad2): DC4.2 KC4.2
Net-(DC5-Pad2): DC5.2 KC5.2
Net-(DC6-Pad2): DC6.2 KC6.2
Net-(DC7-Pad2): DC7.2 KC7.2
Net-(DC8-Pad2): DC8.2 KC8.2
Net-(DC9-Pad2): DC9.2 KC9.2
Net-(DC10-Pad2): DC10.2 KC10.2
Net-(DC11-Pad2): DC11.2 KC11.2
Net-(DC12-Pad2): DC12.2 KC12.2
Net-(DC13-Pad2): DC13.2 KC13.2
Net-(DD0-Pad2): DD0.2 KD0.2
Net-(DD1-Pad2): DD1.2 KD1.2
Net-(DD2-Pad2): DD2.2 KD2.2
Net-(DD3-Pad2): DD3.2 KD3.2
Net-(DD4-Pad2): DD4.2 KD4.2
Net-(DD5-Pad2): DD5.2 KD5.2
Net-(DD6-Pad2): DD6.2 KD6.2
Net-(DD7-Pad2): DD7.2 KD7.2
Net-(DD8-Pad2): DD8.2 KD8.2
Net-(DD9-Pad2): DD9.2 KD9.2
Net-(DD10-Pad2): DD10.2 KD10.2
Net-(DD11-Pad2): DD11.2 KD11.2
Net-(DD12-Pad2): DD12.2 KD12.2
Net-(DD13-Pad2): DD13.2 KD13.2
Net-(DE0-Pad2): DE0.2 KE0.2
Net-(DE1-Pad2): DE1.2 KE1.2
Net-(DE2-Pad2): DE2.2 KE2.2
Net-(DE3-Pad2): DE3.2 KE3.2
Net-(DE4-Pad2): DE4.2 KE4.2
Net-(DE5-Pad2): DE5.2 KE5.2
Net-(DE6-Pad2): DE6.2 KE6.2
Net-(DE7-Pad2): DE7.2 KE7.2
Net-(DE8-Pad2): DE8.2 KE8.2
Net-(DE9-Pad2): DE9.2 KE9.2